# KiCad board pcb-rounded.kicad_pcb (continued)
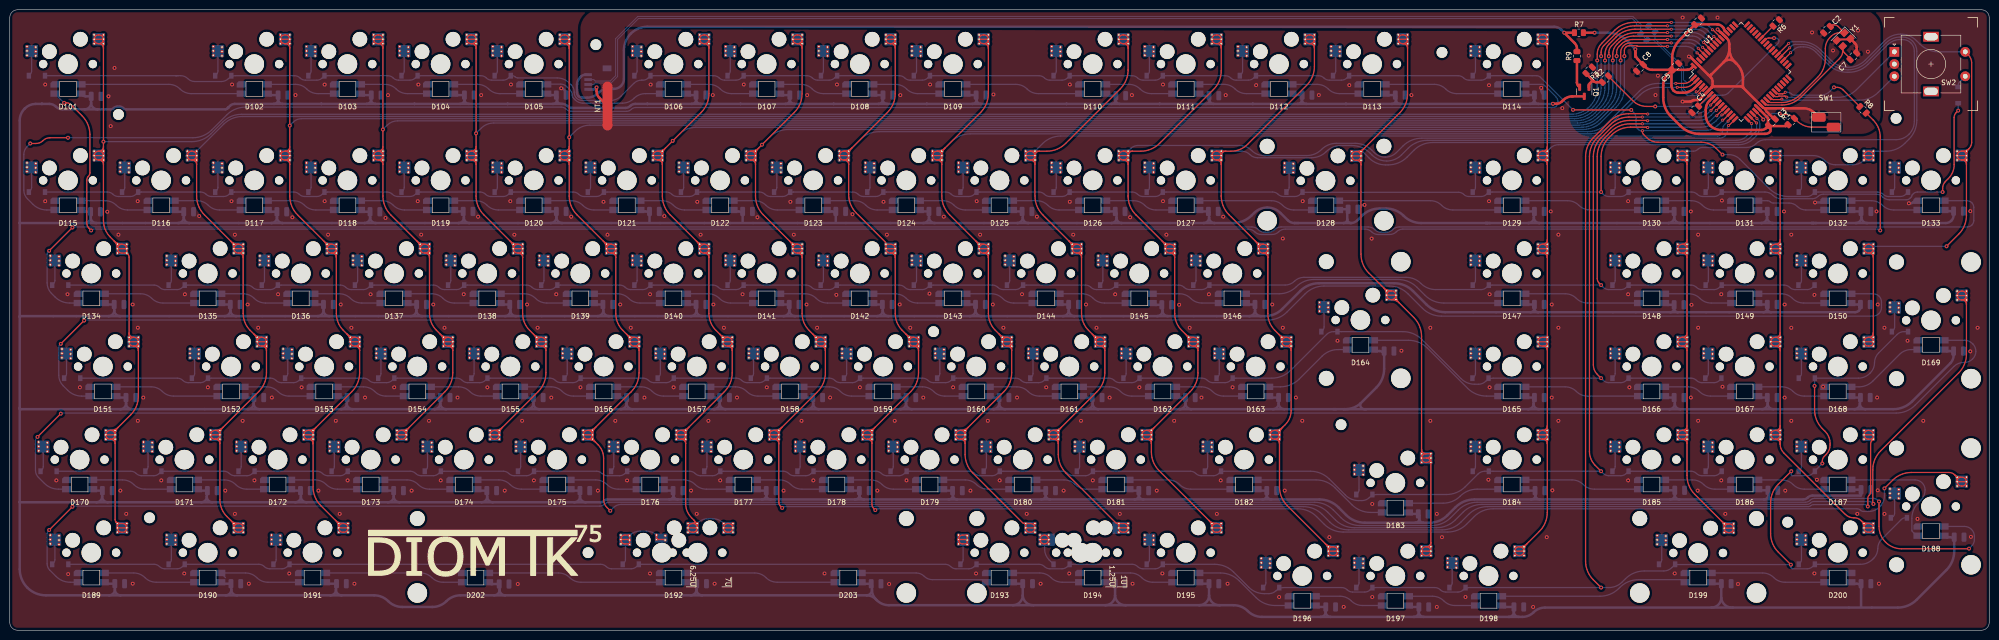
[diagram p0: board, top side]
## Routing (per net, layer and track width the routed paths; a pad name or vN(x,y) marks a point on that pad's centre or on a via; arc(x,y) is an arc through that point) (continued)
GND: length 9.4
  Bottom w0.508: v1(112.78,110.93) 113.03,110.93 113.6,110.36 arc(113.73,110.13) 113.78,109.86 C13.2 ; C36.2 276.43,86.9 arc(276.61,87.02) 276.82,87.06 v1(277.05,87.06) ; C22.2 313.49,109.85 arc(313.26,110.19) 313.18,110.59 v1(313.18,111.02) ; D133.3 389.92,87.92 arc(389.63,87.86) 389.38,87.69 389.33,87.64 arc(389.06,87.46) 388.73,87.39 v1(388.39,87.39) ; D132.3 371.01,87.74 arc(370.81,87.61) 370.59,87.57 v1(369.19,87.57)
  vias: v1(7.24,111.7) v1(7.24,87.82) v1(9.53,30.67) v1(11.81,68.77) v1(11.94,11.49) v1(14.35,49.72) v1(19.94,85.66) v1(20.19,109.28) v1(20.64,103.19) v1(21.43,115.09) v1(22.23,80.96) v1(22.61,28.58) v1(23.81,23.81) v1(25.12,66.68) v1(25.15,9.53) v1(26.16,87.82) v1(26.19,61.91) v1(26.19,42.86) v1(27.31,47.63) v1(30.99,30.67) v1(35.69,11.62) v1(35.81,68.77) v1(38.74,84.77) v1(40.51,49.72) v1(44.07,28.58) v1(45.34,87.82) v1(45.47,111.7) v1(46.04,80.96) v1(46.04,23.81) v1(47.63,42.86) v1(48.64,66.68) v1(48.9,9.53) v1(50.04,30.67) v1(50.8,61.91) v1(53.59,47.63) v1(54.86,68.77) v1(57.15,11.62) v1(57.79,84.52) v1(58.42,109.54) v1(59.69,49.72) v1(63.12,28.58) v1(64.39,111.7) v1(64.39,87.82) v1(65.09,80.96) v1(66.68,42.86) v1(67.47,23.81) v1(67.69,66.68) v1(69.09,30.67) v1(69.85,61.91) v1(70.49,9.53) v1(72.64,47.63) v1(73.79,68.77) v1(76.84,84.39) v1(77.34,109.54) v1(78.61,49.72) v1(82.17,28.58) v1(83.44,87.82) v1(83.57,111.7) v1(84.14,80.96) v1(85.73,42.86) v1(86.61,66.68) v1(88.14,30.67) v1(88.9,61.91) v1(90.55,11.75) v1(91.57,47.63) v1(92.84,68.77) v1(95.76,84.65) v1(96.39,109.54) v1(97.66,49.72) v1(101.22,28.58) v1(102.36,87.82) v1(102.49,111.7) v1(103.19,80.96) v1(103.89,9.46) v1(104.78,42.86) v1(105.79,66.68) v1(107.19,30.67) v1(107.95,61.91) v1(110.74,47.63) v1(111.76,68.77) v1(114.81,84.65) v1(116.71,49.72) v1(120.27,28.58) v1(121.41,87.69) v1(122.24,80.96) v1(123.83,42.86) v1(124.84,66.68) v1(126.24,30.67) v1(127,61.91) v1(129.79,47.63) v1(130.94,68.77) v1(130.94,11.62) v1(131.06,111.7) v1(133.86,84.77) v1(135.76,49.72) v1(139.32,28.58) v1(140.49,23.81) v1(140.59,87.69) v1(141.29,80.96) v1(142.88,42.86) v1(143.76,109.54) v1(143.89,66.68) v1(144.15,9.53) v1(145.29,30.67) v1(146.05,61.91) v1(148.72,47.63) v1(149.86,68.77) v1(150.11,111.7) v1(152.91,84.52) v1(154.81,49.72) v1(158.24,28.58) v1(159.64,87.69) v1(160.34,80.96) v1(161.93,42.86) v1(162.94,66.68) v1(163.07,109.54) v1(164.34,30.67) v1(165.1,61.91) v1(166.62,11.62) v1(167.77,47.63) v1(169.04,68.64) v1(169.16,111.7) v1(172.34,85.15) v1(173.86,49.72) v1(177.42,28.58) v1(178.69,87.69) v1(179.39,80.96) v1(179.83,9.46) v1(180.98,42.86) v1(181.99,66.68) v1(182.12,109.54) v1(183.39,30.67) v1(184.15,61.91) v1(186.82,47.63) v1(188.09,68.9) v1(188.21,111.7) v1(191.01,84.65) v1(192.91,49.72) v1(196.47,28.58) v1(197.61,11.62) v1(197.74,87.82) v1(198.44,80.96) v1(200.03,42.86) v1(201.04,66.68) v1(201.17,109.66) v1(202.44,30.67) v1(203.2,61.91) v1(205.99,47.63) v1(207.01,68.77) v1(207.96,23.81) v1(210.06,84.65) v1(210.82,9.53) v1(211.96,49.72) v1(215.52,28.58) v1(216.66,11.62) v1(216.79,111.7) v1(216.79,87.69) v1(217.49,80.96) v1(219.08,42.86) v1(220.09,66.68) v1(221.49,30.67) v1(222.25,61.91) v1(224.92,47.63) v1(226.06,68.77) v1(227.01,23.81) v1(229.11,84.52) v1(229.49,109.54) v1(229.62,9.53) v1(231.01,49.72) v1(234.57,28.58) v1(235.71,11.62) v1(235.84,111.7) v1(235.84,87.82) v1(236.54,80.96) v1(238.13,42.86) v1(239.14,66.61) v1(241.3,61.91) v1(243.71,47.63) v1(245.24,68.77) v1(246.86,23.81) v1(247.65,30.67) v1(248.16,84.65) v1(248.67,109.54) v1(249.05,9.53) v1(250.06,49.72) v1(254.89,111.57) v1(258.19,66.68) v1(259.59,6.79) v1(260.35,80.17) v1(260.35,61.91) v1(260.73,28.58) v1(263.02,47.63) v1(264.32,42.86) v1(264.41,87.82) v1(267.72,109.54) v1(269.88,19.05) v1(271.53,59.25) v1(272.8,4.76) v1(273.94,111.57) v1(278.51,80.17) v1(278.64,25.84) v1(278.64,6.79) v1(284.61,57.21) v1(286.64,109.54) v1(290.51,61.91) v1(290.51,42.86) v1(291.85,23.81) v1(291.85,4.76) v1(292.89,19.05) v1(297.69,6.79) v1(302.39,30.8) v1(302.51,111.57) v1(302.51,87.82) v1(302.64,68.77) v1(302.64,49.72) v1(311.53,4.76) v1(314.33,19.05) v1(315.15,85.73) v1(315.34,66.68) v1(315.34,47.63) v1(315.47,28.64) v1(316.71,80.96) v1(316.71,61.91) v1(316.71,42.86) v1(317.5,106.87) v1(330.96,87.82) v1(330.96,68.77) v1(330.96,30.67) v1(331.22,49.72) v1(340.49,11.62) v1(343.79,85.73) v1(343.79,47.63) v1(343.92,66.61) v1(345.19,28.58) v1(345.28,80.96) v1(345.28,61.91) v1(345.28,42.86) v1(350.01,68.77) v1(350.01,30.67) v1(350.14,87.95) v1(350.27,49.85) v1(350.84,23.81) v1(353.44,9.46) v1(362.84,85.73) v1(362.97,66.68) v1(362.97,47.63) v1(363.09,28.58) v1(364.33,80.96) v1(364.33,61.91) v1(364.33,42.86) v1(369.06,68.64) v1(369.06,11.62) v1(369.57,30.8) v1(370.84,49.85) v1(377.83,23.81) v1(381.76,85.73) v1(381.89,47.63) v1(382.02,66.68) v1(382.02,28.64) v1(382.27,9.53) v1(383.38,61.91) v1(383.38,23.81) v1(388.11,59.25) v1(390.14,22.8) v1(391.32,42.86) v1(400.94,85.79) v1(400.94,57.09) v1(401.07,19.11) v1(402.43,61.91)
GNDREF: length 74.4
  Top w0.25: 376.33,121.01 376.1,120.78 ; 373.67,120.76 373.69,120.78
  Top w0.381: 376.25,120.93 373.84,120.93
  Top w0.508: 354.47,111.07 354.34,111.19 arc(354.2,111.28) 354.04,111.32 348.58,111.32 arc(348.29,111.26) 348.04,111.09 348.03,111.08 ; 354.47,111.07 354.48,111.06 ; 354.47,111.07 arc(354.47,111.06) 354.46,111.06 ; v1(343.41,117.41) 343.51,117.41 arc(343.6,117.39) 343.68,117.34 347.31,113.71 ; 376.33,121.01 376.25,120.93 ; 354.48,111.06 358.09,107.45 arc(358.09,107.44) 358.1,107.44 arc(358.11,107.44) 358.11,107.44 358.57,106.97 arc(358.72,106.87) 358.9,106.84 ; 354.48,111.06 arc(354.47,111.06) 354.46,111.06 ; v1(342.1,108.21) 343.68,108.21 arc(343.88,108.25) 344.05,108.36 arc(344.21,108.48) 344.41,108.52 345.25,108.52 arc(345.48,108.56) 345.67,108.69 345.84,108.85 arc(345.85,108.87) 345.85,108.88 arc(345.85,108.9) 345.86,108.91 347.61,110.67 ; 347.93,113.71 350.52,116.3 ; 347.93,113.71 arc(347.8,113.4) 347.93,113.09 ; 347.93,113.71 arc(347.62,113.58) 347.31,113.71 ; 350.52,116.3 arc(351.66,116.77) 352.8,116.3 ; 350.52,116.3 arc(351.37,117.57) 351.66,119.06 ; 373.67,120.76 373.84,120.93 ; 348.03,111.08 347.61,110.67 ; 348.03,111.08 347.61,110.67 ; 348.03,111.08 arc(348.18,111.31) 348.23,111.58 348.23,112.35 arc(348.15,112.76) 347.93,113.09 ; 359.09,106.65 359.09,106.59 arc(359.14,106.37) 359.27,106.18 360.91,104.53 ; 359.09,106.65 arc(359.04,106.78) 358.9,106.84 ; 359.09,106.65 arc(359.15,106.78) 359.29,106.84 ; 376.6,120.9 377.36,120.14 arc(377.61,119.76) 377.7,119.31 377.7,118.38 ; 347.31,113.71 347.93,113.09 ; 351.66,119.06 351.66,119.93 arc(351.53,120.62) 351.14,121.2 350.05,122.29 arc(350,122.32) 349.96,122.33 arc(349.91,122.34) 349.87,122.36 v1(349.25,122.98) ; 351.66,119.06 arc(351.96,117.57) 352.8,116.3 ; 352.8,116.3 353.19,115.92 arc(354.13,114.51) 354.46,112.86 354.46,111.07 arc(354.46,111.06) 354.46,111.06 ; 358.9,106.84 359.29,106.84 ; 359.29,106.84 366.81,106.84 arc(368.02,106.6) 369.05,105.91 SW1.1
  vias: v1(322.9,117.61) v1(336.55,109.54) v1(337.06,113.51) v1(342.11,125.41) v1(349.25,125.41) v1(368.58,122.36) v1(372.87,118.68) v1(377.98,122.75) v1(380.01,118.43)
/LED/RGB_Data: length 20
  Top w0.254: v2(363.1,110.11) 362.94,109.95 arc(362.76,109.83) 362.56,109.79 361.75,109.79 arc(361.44,109.86) 361.17,110.03 U1.27 ; v1(373.06,111.13) 373.73,111.13 arc(374.34,111) 374.86,110.66 R8.1
  Bottom w0.254: v1(373.06,111.13) 372.26,110.32 arc(371.36,109.72) 370.31,109.51 365.07,109.51 arc(364.67,109.59) 364.34,109.81 arc(364.01,110.03) 363.62,110.11 v2(363.1,110.11)
/Power: length 225.2
  Top w0.508: R7.1 v1(317.9,122.31) 320.04,120.17 arc(320.38,119.66) 320.5,119.07 R9.2
  Bottom w0.508: 118.28,113.71 117.74,113.71 arc(117.24,113.61) 116.82,113.33 116.6,113.11 arc(116.16,112.45) 116,111.66 116,110.04 arc(116.08,109.64) 116.3,109.31 arc(116.63,109.09) 117.02,109.01 118.09,109.01 arc(119.27,109.25) 120.26,109.91 arc(121.26,110.58) 122.43,110.81 123.55,110.81 arc(124.34,110.97) 125,111.41 arc(125.44,112.08) 125.6,112.86 125.6,118.72 arc(125.97,120.56) 127.01,122.12 arc(128.57,123.16) 130.4,123.53 315.83,123.53 arc(316.62,123.37) 317.29,122.92 v1(317.9,122.31)
COL0: length 508.9
  Top w0.254: 19.16,119.16 v1(19.16,100.01) 19.16,98.95 ; 19.16,119.16 MX1.1 ; 19.16,119.16 arc(18.89,119.8) 18.26,120.06 ; v2(348.2,122.91) 348.25,122.91 arc(348.29,122.9) 348.32,122.88 U1.54 ; 19.16,98.95 MX15.1 ; 19.16,98.95 arc(18.89,98.31) 18.26,98.05 ; MX15.1 MX15.1 ; MX15.1 19.16,95.35 ; MX15.1 arc(18.89,96.51) 18.26,96.25 ; MX15.1 arc(18.89,97.79) 18.26,98.05 ; MX34.1 MX34.1 ; MX34.1 23.92,77.54 ; MX34.1 arc(23.66,78.74) 23.02,79 22.92,79 ; MX34.1 arc(22.28,78.74) 22.92,79 ; MX34.1 arc(21.85,78.93) 21.38,79.64 ; MX34.1 arc(22.28,77.46) 22.92,77.2 23.58,77.2 ; MX1.1 MX1.1 ; MX1.1 arc(18.89,120.33) 18.26,120.06 ; MX1.1 arc(18.89,121.6) 18.26,121.86 18.16,121.86 arc(17.52,121.6) MX1.1 ; 23.58,77.2 arc(23.89,77.14) 24.16,76.96 ; 23.58,77.2 arc(23.82,77.3) 23.92,77.54 ; MX51.1 26.3,57.25 ; MX51.1 MX51.1 ; MX51.1 arc(26.04,58.41) 25.4,58.15 ; MX51.1 arc(26.04,59.69) 25.4,59.95 25.3,59.95 ; 26.3,57.25 26.3,47.92 arc(25.89,45.83) 24.71,44.07 22.17,41.54 ; 26.3,57.25 arc(26.04,57.89) 25.4,58.15 ; MX15.1 arc(17.52,96.51) 18.16,96.25 18.26,96.25 ; MX15.1 arc(17.52,97.79) 18.16,98.05 18.26,98.05 ; 21.54,38.2 21.54,22.67 arc(21.6,22.36) 21.78,22.09 ; 21.54,38.2 MX70.1 ; 21.54,38.2 arc(21.27,38.84) 20.64,39.1 ; MX70.1 MX70.1 ; MX70.1 arc(19.9,40.64) 20.54,40.9 20.64,40.9 ; MX70.1 arc(19.9,39.36) 20.54,39.1 20.64,39.1 ; MX70.1 arc(21.27,39.36) 20.64,39.1 ; MX70.1 arc(21.27,40.64) 20.64,40.9 ; MX70.1 arc(21.7,40.83) 22.17,41.54 ; 25.3,59.95 arc(24.66,59.69) MX51.1 ; 25.3,59.95 arc(24.66,60.21) 24.4,60.85 ; 19.16,95.35 19.16,83.89 arc(19.53,82.02) 20.59,80.43 21.38,79.64 ; 19.16,95.35 arc(18.89,95.99) 18.26,96.25 ; 20.64,40.9 arc(21.47,41.07) 22.17,41.54 ; 24.4,60.85 24.4,76.38 arc(24.34,76.69) 24.16,76.96 ; 24.4,60.85 MX51.1 ; v1(324.64,116.62) 324.64,117.92 arc(324.88,119.12) 325.56,120.14 328.24,122.82 arc(330.01,124) 332.09,124.41 v2(339.8,124.41) ; MX1.1 arc(17.52,120.33) 18.16,120.06 18.26,120.06 ; MX51.1 arc(24.66,58.41) 25.3,58.15 25.4,58.15 ; MX89.1 MX89.1 ; MX89.1 arc(23.66,21.59) 23.02,21.85 22.36,21.85 ; MX89.1 arc(23.66,20.31) 23.02,20.05 22.92,20.05 arc(22.28,20.31) MX89.1 ; MX89.1 22.02,21.51 ; 22.92,79 arc(22.09,79.17) 21.38,79.64 ; 23.92,77.54 arc(23.98,77.23) 24.16,76.96 ; 22.36,21.85 arc(22.04,21.91) 21.78,22.09 ; 22.36,21.85 arc(22.12,21.75) 22.02,21.51 ; 22.02,21.51 arc(21.96,21.82) 21.78,22.09
  Bottom w0.254: v2(339.8,124.41) 345.63,124.41 arc(346.61,124.22) 347.44,123.66 348.19,122.91 arc(348.19,122.91) 348.2,122.91 v2(348.2,122.91) ; v1(324.64,116.62) 324.64,110.97 arc(324.24,108.91) 323.07,107.17 arc(321.33,106.01) 319.28,105.6 47.38,105.6 arc(45.3,105.19) 43.54,104.01 41.13,101.61 arc(39.37,100.43) 37.29,100.01 v1(19.16,100.01)
COL1: length 463.8
  Top w0.254: 42.07,39.1 41.97,39.1 arc(41.33,39.36) MX71.1 ; 42.07,39.1 arc(42.71,38.84) 42.97,38.2 ; 42.07,39.1 arc(42.71,39.36) MX71.1 ; 52.49,57.25 52.49,52.68 arc(52.08,50.6) 50.9,48.83 43.61,41.54 ; 52.49,57.25 MX52.1 ; 52.49,57.25 arc(52.23,57.89) 51.59,58.15 ; 37.31,96.25 37.21,96.25 arc(36.57,96.51) MX16.1 ; 37.31,96.25 arc(37.94,95.99) 38.21,95.35 ; 37.31,96.25 arc(37.94,96.51) MX16.1 ; v2(339,123.71) 332.28,123.71 arc(330.2,123.3) 328.43,122.12 326.01,119.7 arc(325.59,119.06) 325.44,118.32 v1(325.44,117.51) ; MX71.1 42.97,38.2 ; MX71.1 MX71.1 ; MX71.1 arc(43.13,40.83) 43.61,41.54 ; MX71.1 arc(42.71,40.64) 42.07,40.9 ; 42.97,38.2 42.97,26.74 arc(43.34,24.87) 44.4,23.28 45.19,22.49 ; 45.19,22.49 arc(45.9,22.02) 46.73,21.85 ; 45.19,22.49 arc(45.67,21.78) MX90.1 ; 43.61,41.54 arc(42.9,41.07) 42.07,40.9 ; U1.55 349.46,120.59 arc(349.44,120.6) 349.42,120.61 v2(348.49,121.54) ; 42.07,40.9 41.97,40.9 arc(41.33,40.64) MX71.1 ; MX35.1 47.73,76.3 ; MX35.1 MX35.1 ; MX35.1 arc(47.47,77.46) 46.83,77.2 ; MX35.1 arc(47.47,78.74) 46.83,79 46.73,79 ; 47.73,76.3 47.73,64.84 arc(48.1,62.97) 49.16,61.38 49.96,60.59 ; 47.73,76.3 arc(47.47,76.94) 46.83,77.2 ; MX16.1 MX16.1 ; MX16.1 38.21,95.35 ; MX16.1 arc(37.94,97.79) 37.31,98.05 37.21,98.05 arc(36.57,97.79) MX16.1 ; 45.19,79.64 39.8,85.03 arc(38.62,86.8) 38.21,88.88 38.21,95.35 ; 45.19,79.64 arc(45.67,78.93) MX35.1 ; 45.19,79.64 arc(45.9,79.17) 46.73,79 ; 46.83,77.2 46.73,77.2 arc(46.09,77.46) MX35.1 ; 51.59,58.15 51.49,58.15 arc(50.86,58.41) MX52.1 ; 51.59,58.15 arc(52.23,58.41) MX52.1 ; MX90.1 MX90.1 ; MX90.1 arc(46.09,20.31) 46.73,20.05 46.83,20.05 arc(47.47,20.31) MX90.1 ; MX90.1 arc(46.09,21.59) 46.73,21.85 ; MX90.1 arc(47.47,21.59) 46.83,21.85 46.73,21.85 ; MX52.1 MX52.1 ; MX52.1 arc(52.23,59.69) 51.59,59.95 51.49,59.95 ; 51.49,59.95 arc(50.66,60.12) 49.96,60.59 ; 51.49,59.95 arc(50.86,59.69) MX52.1 ; 49.96,60.59 arc(50.43,59.88) MX52.1 ; MX35.1 arc(46.09,78.74) 46.73,79
  Bottom w0.254: v2(348.49,121.54) 347.4,122.63 arc(346.2,123.43) 344.79,123.71 v2(339,123.71) ; v1(325.44,117.51) 325.44,111 arc(325.02,108.92) 323.84,107.15 323.44,106.75 arc(321.68,105.57) 319.6,105.16 47.57,105.16 arc(45.48,104.74) 43.72,103.56 MX16.1
COL2: length 477.1
  Top w0.254: 68.16,21.85 68.26,21.85 arc(68.9,21.59) MX91.1 ; 68.16,21.85 arc(67.33,22.02) 66.63,22.49 ; 68.16,21.85 arc(67.53,21.59) MX91.1 ; 70.54,59.95 70.64,59.95 arc(71.28,59.69) MX53.1 ; 70.54,59.95 arc(69.71,60.12) 69.01,60.59 ; 70.54,59.95 arc(69.91,59.69) MX53.1 ; 69.01,60.59 68.21,61.38 arc(67.15,62.97) 66.78,64.84 66.78,76.3 ; 69.01,60.59 arc(69.48,59.88) MX53.1 ; MX36.1 MX36.1 ; MX36.1 arc(64.72,78.93) 64.24,79.64 ; MX36.1 arc(65.14,77.46) 65.78,77.2 65.88,77.2 ; MX36.1 arc(65.14,78.74) 65.78,79 ; MX36.1 66.78,76.3 ; MX36.1 arc(66.52,78.74) 65.88,79 65.78,79 ; MX36.1 arc(66.52,77.46) 65.88,77.2 ; 61.12,39.1 61.02,39.1 arc(60.38,39.36) MX72.1 ; 61.12,39.1 arc(61.76,39.36) MX72.1 ; 61.12,39.1 arc(61.76,38.84) 62.02,38.2 ; 61.12,40.9 61.02,40.9 arc(60.38,40.64) MX72.1 ; 61.12,40.9 arc(61.95,41.07) 62.66,41.54 ; 61.12,40.9 arc(61.76,40.64) MX72.1 ; MX53.1 MX53.1 ; MX53.1 arc(69.91,58.41) 70.54,58.15 70.64,58.15 ; MX53.1 71.54,57.25 ; MX53.1 arc(71.28,58.41) 70.64,58.15 ; MX72.1 MX72.1 ; MX72.1 62.02,38.2 ; MX72.1 arc(62.18,40.83) 62.66,41.54 ; v1(326.23,116.62) 326.23,117.89 arc(326.46,119.06) 327.13,120.05 328.49,121.42 arc(330.26,122.6) 332.34,123.01 v2(339.8,123.01) ; 57.26,95.35 57.26,88.88 arc(57.67,86.8) 58.85,85.03 64.24,79.64 ; 57.26,95.35 MX17.1 ; 57.26,95.35 arc(56.99,95.99) 56.36,96.25 ; 62.66,41.54 69.95,48.83 arc(71.13,50.6) 71.54,52.68 71.54,57.25 ; MX17.1 57.26,98.95 ; MX17.1 MX17.1 ; MX17.1 arc(56.99,97.79) 56.36,98.05 ; MX17.1 arc(56.99,96.51) 56.36,96.25 ; 66.63,22.49 63.61,25.5 arc(62.43,27.27) 62.02,29.35 62.02,38.2 ; 66.63,22.49 arc(67.1,21.78) MX91.1 ; 64.24,79.64 arc(64.95,79.17) 65.78,79 ; 66.78,76.3 arc(66.52,76.94) 65.88,77.2 ; 56.36,98.05 56.26,98.05 arc(55.62,97.79) MX17.1 ; 56.36,98.05 arc(56.99,98.31) 57.26,98.95 ; 70.64,58.15 arc(71.28,57.89) 71.54,57.25 ; 56.36,96.25 56.26,96.25 arc(55.62,96.51) MX17.1 ; 57.26,98.95 v1(57.26,103.29) 57.26,119.16 ; MX2.1 MX2.1 ; MX2.1 arc(55.62,121.6) 56.26,121.86 56.36,121.86 arc(56.99,121.6) MX2.1 ; MX2.1 arc(55.62,120.33) 56.26,120.06 56.36,120.06 ; MX2.1 57.26,119.16 ; MX2.1 arc(56.99,120.33) 56.36,120.06 ; MX91.1 MX91.1 ; MX91.1 arc(67.53,20.31) 68.16,20.05 68.26,20.05 arc(68.9,20.31) MX91.1 ; 57.26,119.16 arc(56.99,119.8) 56.36,120.06 ; v2(347.4,121.51) 347.41,121.51 arc(347.43,121.51) 347.44,121.5 U1.56
  Bottom w0.254: v1(326.23,116.62) 326.23,111 arc(325.82,108.92) 324.64,107.15 323.79,106.31 arc(322.03,105.13) 319.95,104.71 59.68,104.71 arc(58.75,104.53) 57.97,104 v1(57.26,103.29) ; v2(339.8,123.01) 344.84,123.01 arc(345.82,122.82) 346.65,122.26 v2(347.4,121.51)
COL3: length 425.7
  Top w0.254: 75.41,96.25 75.31,96.25 arc(74.67,96.51) MX18.1 ; 75.41,96.25 arc(76.04,95.99) 76.31,95.35 ; 75.41,96.25 arc(76.04,96.51) MX18.1 ; 85.83,76.3 85.83,64.84 arc(86.2,62.97) 87.26,61.38 88.06,60.59 ; 85.83,76.3 MX37.1 ; 85.83,76.3 arc(85.57,76.94) 84.93,77.2 ; 90.59,57.25 90.59,52.68 arc(90.18,50.6) 89,48.83 81.71,41.54 ; 90.59,57.25 MX54.1 ; 90.59,57.25 arc(90.33,57.89) 89.69,58.15 ; v2(347.35,120.46) 348.34,119.46 arc(348.34,119.46) 348.35,119.46 U1.57 ; v1(327.03,117.51) 327.03,118.29 arc(327.17,119) 327.57,119.61 328.68,120.72 arc(330.45,121.9) 332.53,122.31 338.96,122.31 arc(338.97,122.32) 338.99,122.32 v2(339,122.34) ; MX3.1 MX3.1 ; MX3.1 arc(74.67,120.33) 75.31,120.06 75.41,120.06 ; MX3.1 arc(74.67,121.6) 75.31,121.86 75.41,121.86 arc(76.04,121.6) MX3.1 ; MX3.1 76.31,119.16 ; MX3.1 arc(76.04,120.33) 75.41,120.06 ; 84.93,77.2 84.83,77.2 arc(84.19,77.46) MX37.1 ; 84.93,77.2 arc(85.57,77.46) MX37.1 ; 76.31,119.16 v1(76.31,102.5) 76.31,98.95 ; 76.31,119.16 arc(76.04,119.8) 75.41,120.06 ; MX73.1 MX73.1 ; MX73.1 arc(79.43,39.36) 80.07,39.1 80.17,39.1 arc(80.81,39.36) MX73.1 ; MX73.1 arc(79.43,40.64) 80.07,40.9 80.17,40.9 ; MX73.1 arc(80.81,40.64) 80.17,40.9 ; MX73.1 arc(81.23,40.83) 81.71,41.54 ; 75.41,98.05 75.31,98.05 arc(74.67,97.79) MX18.1 ; 75.41,98.05 arc(76.04,97.79) MX18.1 ; 75.41,98.05 arc(76.04,98.31) 76.31,98.95 ; MX18.1 76.31,95.35 ; MX18.1 76.31,98.95 ; MX18.1 MX18.1 ; 76.31,95.35 76.31,88.88 arc(76.72,86.8) 77.9,85.03 83.29,79.64 ; 81.71,41.54 arc(81,41.07) 80.17,40.9 ; 89.59,59.95 89.69,59.95 arc(90.33,59.69) MX54.1 ; 89.59,59.95 arc(88.76,60.12) 88.06,60.59 ; 89.59,59.95 arc(88.96,59.69) MX54.1 ; MX54.1 MX54.1 ; MX54.1 arc(88.53,59.88) 88.06,60.59 ; MX54.1 arc(88.96,58.41) 89.59,58.15 89.69,58.15 ; MX54.1 arc(90.33,58.41) 89.69,58.15 ; 83.29,79.64 arc(83.77,78.93) MX37.1 ; 83.29,79.64 arc(84,79.17) 84.83,79 ; MX37.1 MX37.1 ; MX37.1 arc(84.19,78.74) 84.83,79 ; MX37.1 arc(85.57,78.74) 84.93,79 84.83,79
  Bottom w0.254: v2(347.35,120.46) 346.41,121.4 arc(345.37,122.09) 344.14,122.34 v2(339,122.34) ; v1(327.03,117.51) 327.03,111 arc(326.61,108.92) 325.43,107.15 324.14,105.86 arc(322.38,104.68) 320.3,104.27 79.33,104.27 arc(78.17,104.04) 77.19,103.38 v1(76.31,102.5)
COL4: length 406.1
  Top w0.254: MX38.1 MX38.1 ; MX38.1 arc(103.24,77.46) 103.88,77.2 103.98,77.2 ; MX38.1 arc(103.24,78.74) 103.88,79 ; MX38.1 arc(102.82,78.93) 102.34,79.64 ; MX38.1 104.88,76.3 ; MX38.1 arc(104.62,78.74) 103.98,79 103.88,79 ; MX38.1 arc(104.62,77.46) 103.98,77.2 ; 95.36,98.95 v1(95.36,101.71) 95.36,119.16 ; 95.36,98.95 MX19.1 ; 95.36,98.95 arc(95.09,98.31) 94.46,98.05 ; 103.88,79 arc(103.05,79.17) 102.34,79.64 ; 104.88,76.3 104.88,64.84 arc(105.25,62.97) 106.31,61.38 107.11,60.59 ; 104.88,76.3 arc(104.62,76.94) 103.98,77.2 ; 107.11,60.59 arc(107.81,60.12) 108.64,59.95 ; 107.11,60.59 arc(107.58,59.88) MX55.1 ; MX4.1 95.36,119.16 ; MX4.1 MX4.1 ; MX4.1 arc(95.09,121.6) 94.46,121.86 94.36,121.86 arc(93.72,121.6) MX4.1 ; MX4.1 arc(95.09,120.33) 94.46,120.06 ; 95.36,119.16 arc(95.09,119.8) 94.46,120.06 ; 94.46,120.06 94.36,120.06 arc(93.72,120.33) MX4.1 ; 94.46,98.05 94.36,98.05 arc(93.72,97.79) MX19.1 ; 94.46,98.05 arc(95.09,97.79) MX19.1 ; MX55.1 MX55.1 ; MX55.1 109.64,57.25 ; MX55.1 arc(109.38,59.69) 108.74,59.95 108.64,59.95 ; MX55.1 arc(109.38,58.41) 108.74,58.15 ; MX55.1 arc(108.01,58.41) 108.64,58.15 108.74,58.15 ; MX55.1 arc(108.01,59.69) 108.64,59.95 ; MX19.1 95.36,95.35 ; MX19.1 MX19.1 ; MX19.1 arc(95.09,96.51) 94.46,96.25 ; 95.36,95.35 95.36,88.88 arc(95.77,86.8) 96.95,85.03 102.34,79.64 ; 95.36,95.35 arc(95.09,95.99) 94.46,96.25 ; v2(346.4,120.31) 347.77,118.94 arc(347.78,118.93) 347.78,118.91 U1.58 ; 100.76,41.54 108.05,48.83 arc(109.23,50.6) 109.64,52.68 109.64,57.25 ; 100.76,41.54 arc(100.28,40.83) MX74.1 ; 100.76,41.54 arc(100.05,41.07) 99.22,40.9 ; 109.64,57.25 arc(109.38,57.89) 108.74,58.15 ; v2(339.8,121.61) 332.12,121.61 arc(330.47,121.29) 329.08,120.35 328.69,119.96 arc(328.04,119) 327.82,117.86 327.82,116.64 arc(327.82,116.64) 327.82,116.63 v1(327.83,116.62) ; MX19.1 arc(93.72,96.51) 94.36,96.25 94.46,96.25 ; 99.22,40.9 99.12,40.9 arc(98.48,40.64) MX74.1 ; 99.22,40.9 arc(99.86,40.64) MX74.1 ; MX74.1 MX74.1 ; MX74.1 arc(98.48,39.36) 99.12,39.1 99.22,39.1 arc(99.86,39.36) MX74.1
  Bottom w0.254: v2(339.8,121.61) 344.13,121.61 arc(344.98,121.44) 345.7,120.96 346.33,120.33 arc(346.35,120.32) 346.37,120.31 v2(346.4,120.31) ; v1(95.36,101.71) 96.42,102.77 arc(97.59,103.55) 98.97,103.82 320.65,103.82 arc(322.73,104.24) 324.49,105.42 326.22,107.15 arc(327.4,108.92) 327.82,111 327.82,116.6 arc(327.82,116.61) 327.82,116.62 v1(327.83,116.62)
COL5: length 726.3
  Top w0.254: 114.41,95.35 114.41,88.88 arc(114.82,86.8) 116,85.03 121.39,79.64 ; 114.41,95.35 MX20.1 ; 114.41,95.35 arc(114.14,95.99) 113.51,96.25 ; 114.41,119.16 v1(114.41,100.91) 114.41,98.95 ; 114.41,119.16 MX5.1 ; 114.41,119.16 arc(114.14,119.8) 113.51,120.06 ; 126.16,60.59 125.36,61.38 arc(124.3,62.97) 123.93,64.84 123.93,76.3 ; 126.16,60.59 arc(126.63,59.88) MX56.1 ; 126.16,60.59 arc(126.86,60.12) 127.69,59.95 ; MX39.1 123.93,76.3 ; MX39.1 MX39.1 ; MX39.1 arc(123.67,77.46) 123.03,77.2 ; MX39.1 arc(123.67,78.74) 123.03,79 122.93,79 ; 123.93,76.3 arc(123.67,76.94) 123.03,77.2 ; 399.26,67.61 399.16,67.61 arc(398.52,67.87) MX69.1 ; 399.26,67.61 arc(399.89,67.87) MX69.1 ; 399.26,67.61 arc(399.89,67.35) 400.16,66.71 ; 118.27,40.9 118.17,40.9 arc(117.53,40.64) MX75.1 ; 118.27,40.9 arc(118.91,40.64) MX75.1 ; 118.27,40.9 arc(119.1,41.07) 119.81,41.54 ; MX5.1 MX5.1 ; MX5.1 arc(114.14,120.33) 113.51,120.06 ; MX5.1 arc(114.14,121.6) 113.51,121.86 113.41,121.86 arc(112.77,121.6) MX5.1 ; 123.03,77.2 122.93,77.2 arc(122.29,77.46) MX39.1 ; 118.27,39.1 118.17,39.1 arc(117.53,39.36) MX75.1 ; 118.27,39.1 arc(119.1,38.93) 119.81,38.46 ; 118.27,39.1 arc(118.91,39.36) MX75.1 ; v1(328.61,117.51) 328.61,118.26 arc(328.75,118.94) 329.14,119.52 329.57,119.96 arc(330.63,120.66) 331.88,120.91 v2(339,120.91) ; 119.81,38.46 120.31,37.96 arc(121.15,36.7) 121.44,35.22 121.44,26.78 arc(121.62,25.89) 122.13,25.13 v1(122.81,24.45) ; 119.81,38.46 arc(119.33,39.17) MX75.1 ; MX56.1 MX56.1 ; MX56.1 128.69,57.25 ; MX56.1 arc(128.43,59.69) 127.79,59.95 127.69,59.95 ; MX56.1 arc(128.43,58.41) 127.79,58.15 ; MX56.1 arc(127.06,58.41) 127.69,58.15 127.79,58.15 ; MX56.1 arc(127.06,59.69) 127.69,59.95 ; 114.41,98.95 MX20.1 ; 114.41,98.95 arc(114.14,98.31) 113.51,98.05 ; 127.79,58.15 arc(128.43,57.89) 128.69,57.25 ; MX5.1 arc(112.77,120.33) 113.41,120.06 113.51,120.06 ; MX20.1 MX20.1 ; MX20.1 arc(114.14,96.51) 113.51,96.25 ; MX20.1 arc(114.14,97.79) 113.51,98.05 ; 122.93,79 arc(122.29,78.74) MX39.1 ; 122.93,79 arc(122.1,79.17) 121.39,79.64 ; MX69.1 400.16,66.71 ; MX69.1 MX69.1 ; MX69.1 arc(399.89,69.15) 399.26,69.41 399.16,69.41 arc(398.52,69.15) MX69.1 ; 400.16,66.71 400.16,56.51 arc(399.74,54.43) 398.56,52.67 382.59,36.7 arc(381.41,34.93) 381,32.85 381,26.06 arc(381.02,25.98) 381.06,25.91 v1(381.13,25.84) ; 128.69,57.25 128.69,52.68 arc(128.28,50.6) 127.1,48.83 119.81,41.54 ; MX39.1 arc(121.87,78.93) 121.39,79.64 ; MX20.1 arc(112.77,97.79) 113.41,98.05 113.51,98.05 ; MX20.1 arc(112.77,96.51) 113.41,96.25 113.51,96.25 ; MX75.1 MX75.1 ; MX75.1 arc(119.33,40.83) 119.81,41.54 ; v2(346.2,119.32) 346.22,119.32 arc(346.23,119.31) 346.24,119.31 U1.59
  Bottom w0.254: v1(114.41,100.91) 115.64,102.15 arc(117.01,103.06) 118.62,103.38 321,103.38 arc(323.08,103.79) 324.84,104.97 327.02,107.15 arc(328.2,108.92) 328.61,111 v1(328.61,117.51) ; v2(339,120.91) 343.48,120.91 arc(344.52,120.71) 345.4,120.11 v2(346.2,119.32) ; v1(381.13,25.84) 380.87,26.1 arc(380.59,26.29) 380.26,26.35 368.99,26.35 arc(368.59,26.27) 368.26,26.05 arc(367.93,25.83) 367.53,25.75 301.05,25.75 arc(298.97,25.34) 297.21,24.16 295.63,22.58 arc(293.87,21.4) 291.78,20.99 274.95,20.99 arc(272.87,21.4) 271.11,22.58 269.53,24.16 arc(267.77,25.34) 265.68,25.75 125.03,25.75 arc(124.18,25.58) 123.46,25.1 v1(122.81,24.45)
COL6: length 414.8
  Top w0.254: v2(339.8,120.21) 331.4,120.21 arc(330.65,120.06) 330.01,119.64 arc(329.59,119) 329.44,118.25 v1(329.44,116.62) ; MX76.1 138.22,38.2 ; MX76.1 MX76.1 ; MX76.1 arc(137.96,40.64) 137.32,40.9 ; MX76.1 arc(137.96,39.36) 137.32,39.1 ; MX76.1 arc(138.38,40.83) 138.86,41.54 ; 138.22,38.2 138.22,25.92 arc(138.53,24.36) 139.41,23.04 139.96,22.49 ; 138.22,38.2 arc(137.96,38.84) 137.32,39.1 ; 142.08,120.06 141.98,120.06 arc(141.34,120.33) MX6.1 ; 142.08,120.06 arc(142.72,119.8) 142.98,119.16 ; 142.08,120.06 arc(142.72,120.33) MX6.1 ; 140.44,79.64 135.05,85.03 arc(133.87,86.8) 133.46,88.88 133.46,95.35 ; 140.44,79.64 arc(141.15,79.17) 141.98,79 ; 140.44,79.64 arc(140.92,78.93) MX40.1 ; 142.08,77.2 141.98,77.2 arc(141.34,77.46) MX40.1 ; 142.08,77.2 arc(142.72,76.94) 142.98,76.3 ; 142.08,77.2 arc(142.72,77.46) MX40.1 ; 146.84,58.15 146.74,58.15 arc(146.11,58.41) MX57.1 ; 146.84,58.15 arc(147.48,57.89) 147.74,57.25 ; 146.84,58.15 arc(147.48,58.41) MX57.1 ; 139.7,21.85 139.6,21.85 arc(138.96,21.59) MX92.1 ; 139.7,21.85 arc(140.04,22.08) 139.96,22.49 ; 139.7,21.85 arc(140.34,21.59) MX92.1 ; 142.98,76.3 142.98,64.84 arc(143.35,62.97) 144.41,61.38 145.21,60.59 ; 142.98,76.3 MX40.1 ; MX6.1 142.98,119.16 ; MX6.1 MX6.1 ; MX6.1 arc(142.72,121.6) 142.08,121.86 141.98,121.86 arc(141.34,121.6) MX6.1 ; 142.98,119.16 142.98,109.83 arc(142.57,107.75) 141.39,105.98 v1(135.58,100.17) 134.09,98.69 ; MX92.1 MX92.1 ; MX92.1 arc(140.34,20.31) 139.7,20.05 139.6,20.05 arc(138.96,20.31) MX92.1 ; MX92.1 arc(140.43,21.78) 139.96,22.49 ; 134.09,98.69 arc(133.39,98.22) 132.56,98.05 ; 134.09,98.69 arc(133.62,97.98) MX21.1 ; 137.32,39.1 137.22,39.1 arc(136.58,39.36) MX76.1 ; 137.32,40.9 137.22,40.9 arc(136.58,40.64) MX76.1 ; 137.32,40.9 arc(138.15,41.07) 138.86,41.54 ; MX57.1 MX57.1 ; MX57.1 arc(146.11,59.69) 146.74,59.95 ; MX57.1 arc(145.68,59.88) 145.21,60.59 ; MX57.1 147.74,57.25 ; MX57.1 arc(147.48,59.69) 146.84,59.95 146.74,59.95 ; MX40.1 MX40.1 ; MX40.1 arc(141.34,78.74) 141.98,79 ; MX40.1 arc(142.72,78.74) 142.08,79 141.98,79 ; U1.60 345.31,119.11 arc(345.3,119.11) 345.3,119.11 v2(345.3,119.11) ; 145.21,60.59 arc(145.91,60.12) 146.74,59.95 ; 133.46,95.35 MX21.1 ; 133.46,95.35 arc(133.19,95.99) 132.56,96.25 ; 147.74,57.25 147.74,52.68 arc(147.33,50.6) 146.15,48.83 138.86,41.54 ; 132.56,98.05 132.46,98.05 arc(131.82,97.79) MX21.1 ; 132.56,98.05 arc(133.19,97.79) MX21.1 ; MX21.1 MX21.1 ; MX21.1 arc(133.19,96.51) 132.56,96.25 ; 132.56,96.25 132.46,96.25 arc(131.82,96.51) MX21.1 ; MX92.1 MX92.1 ; MX92.1 arc(146.25,21.59) 146.89,21.85 146.99,21.85 arc(147.62,21.59) MX92.1 ; MX92.1 arc(146.25,20.31) 146.89,20.05 146.99,20.05 arc(147.62,20.31) MX92.1